# Allegro board RK3588_Template_LP4XD200P232SD8_41R0X41R0_2133MHz_H1R0_V10_20211230.brd (continued)
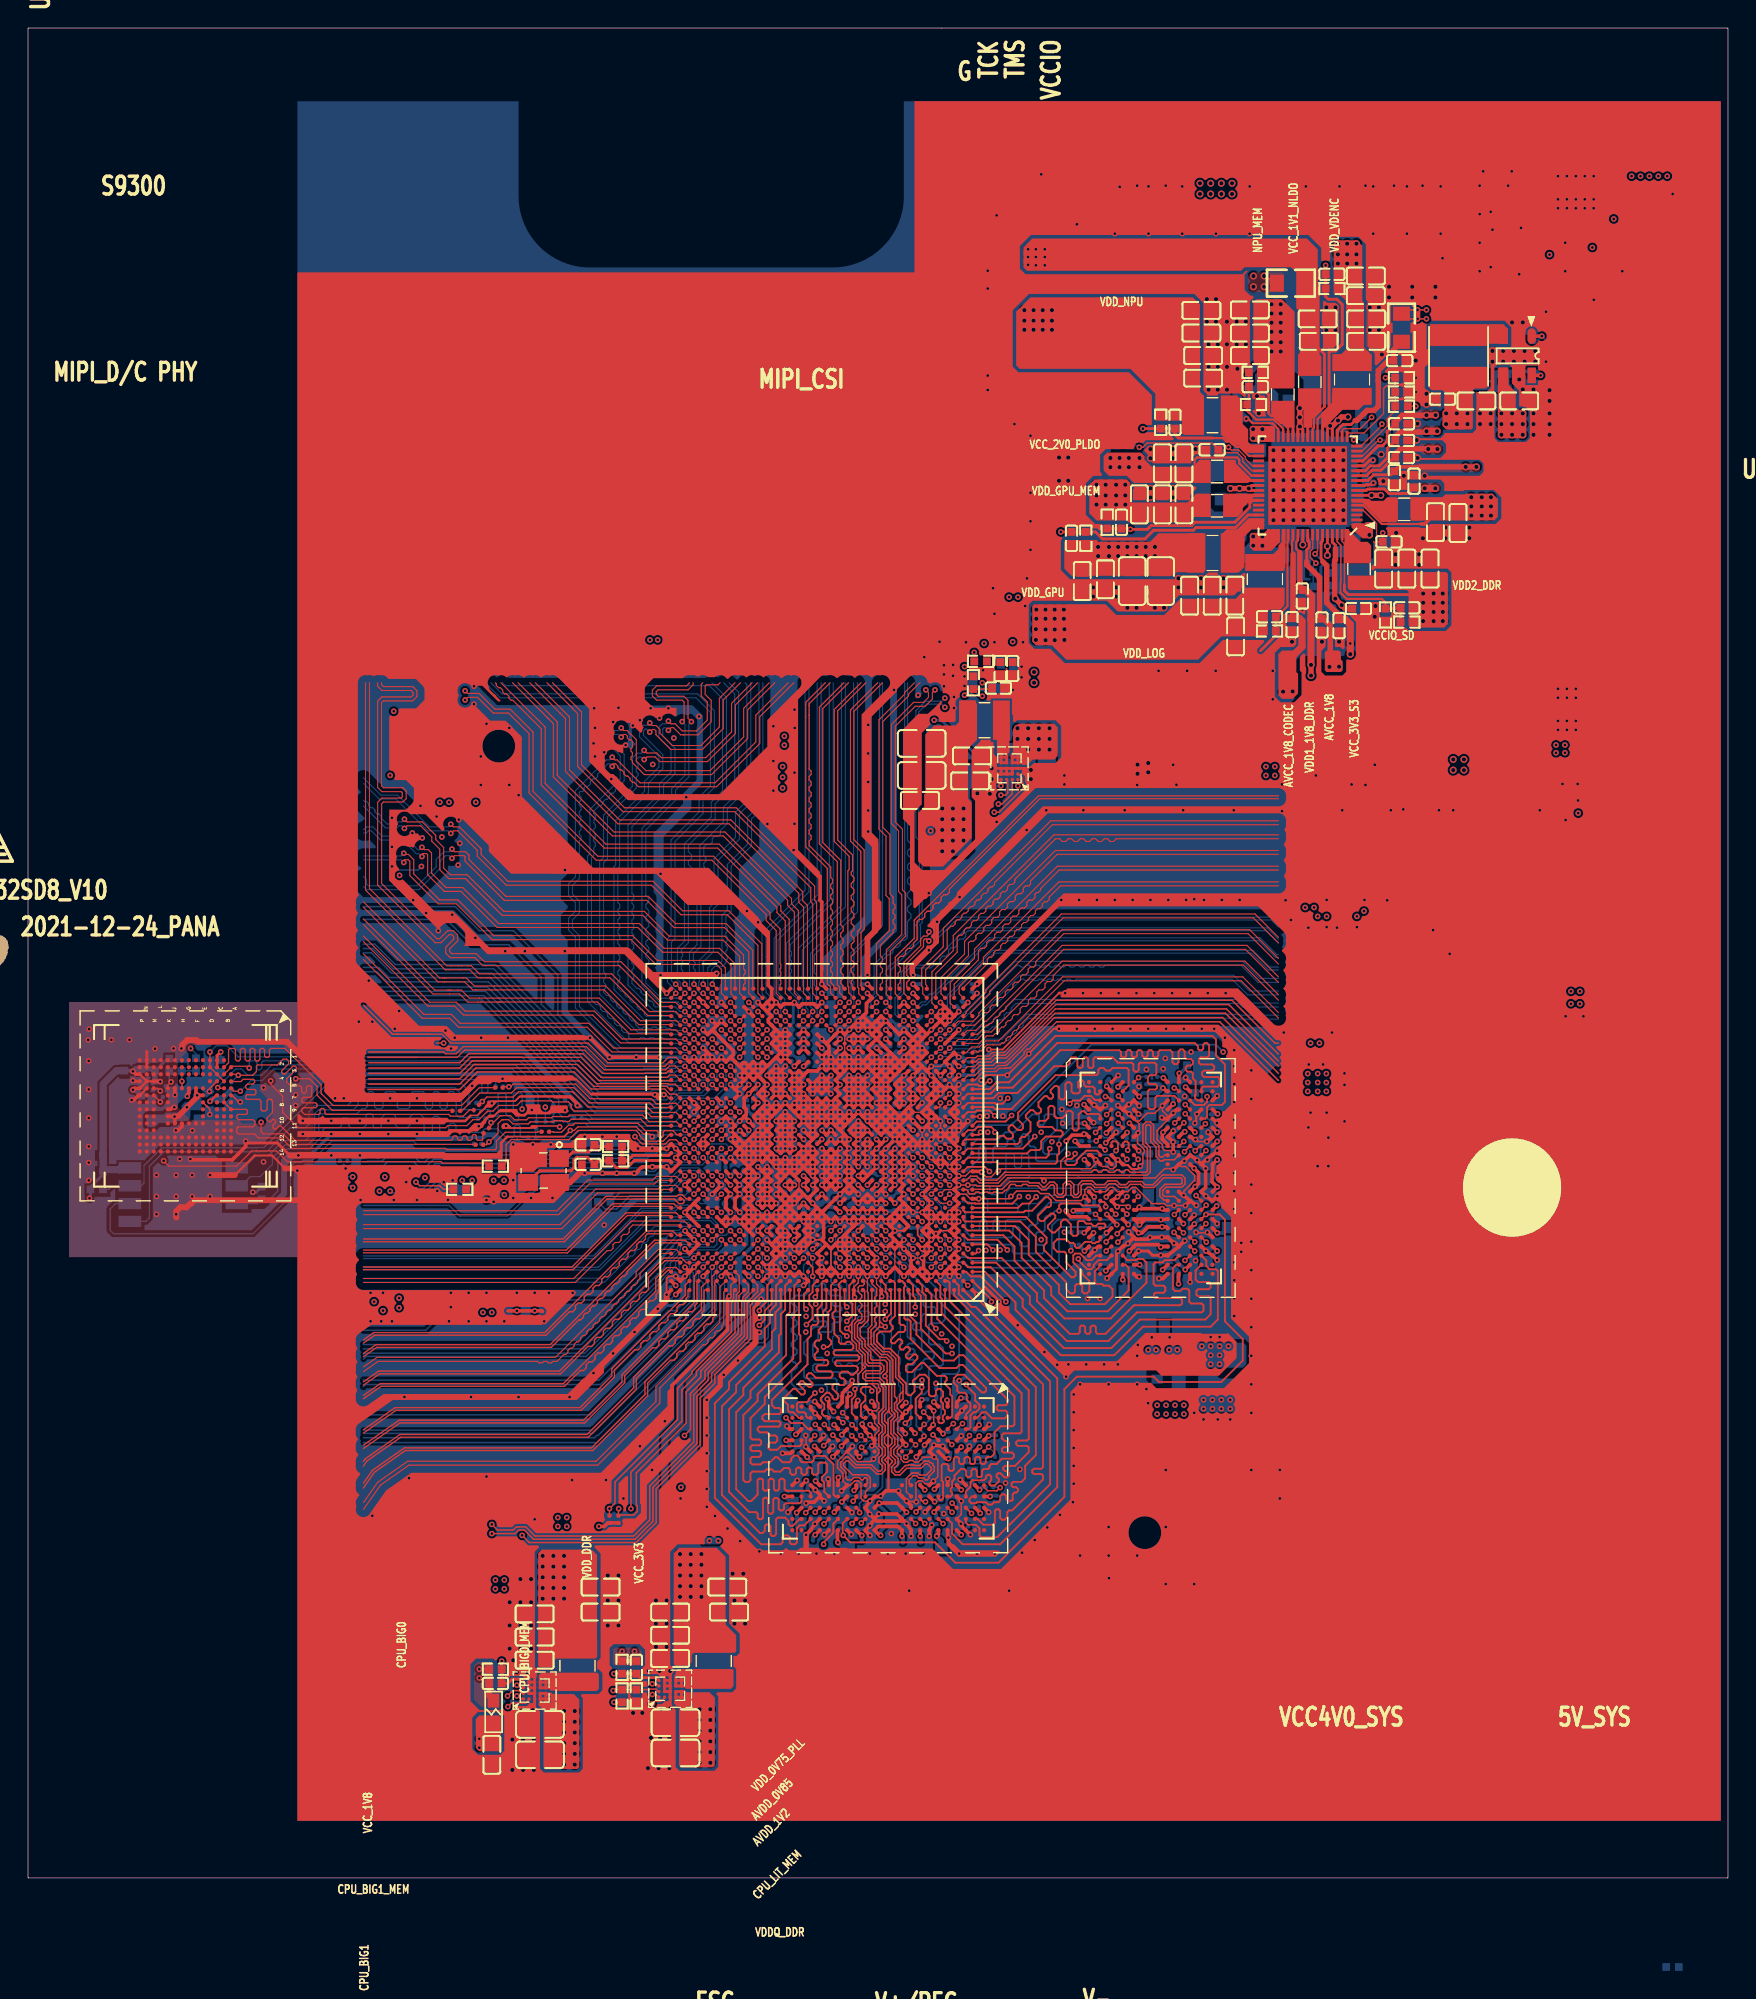
[diagram p0: board, top side]
## Nets (continued)
VDDA_0V85_S0: C1400.1 C1401.1 C1404.1 C1405.1 C1806.1 C1810.1 C1818.1 C2269.1 U1000.AH13(TYPEC1_DP1_VDD_0V85) U1000.AH14(TYPEC0_DP0_VDDA_0V85) U1000.AJ13(TYPEC1_DP1_VDDA_0V85) U1000.AJ14(TYPEC0_DP0_VDD_0V85) U1000.K28(PCIE20_SATA30_USB30_2_AVDD_0V85) U1000.L28(PCIE20_SATA30_1_AVDD_0V85) U1000.M28(PCIE20_SATA30_0_AVDD_0V85) U2200.10(NLDO4)
VDDA_1V2_S0: C1603.1 C1611.1 C2255.1 U1000.AH19(MIPI_D/C_PHY1_VDD_1V2) U1000.AH20(MIPI_D/C_PHY0_VDD_1V2) U2200.57(PLDO3)
VDDA_DDR_PLL_S0: C1215.1 C1218.1 C2264.1 U1000.L15(DDR_CH1_PLL_DVDD) U1000.N12(DDR_CH0_PLL_DVDD) U2200.12(NLDO2)
VDDQ_DDR: C3824.1 C3825.1 C3826.1 C3827.1 C3828.1 C3829.1 C3830.1 C3831.1 C3832.1 C3833.1 C3834.1 C3835.1 C3836.1 C3837.1 C3838.1 C3839.1 C3840.1 C3841.1 C3842.1 C3869.1 C3870.1 C3871.1 C3872.1 C3873.1 C3874.1 C3875.1 C3876.1 C3877.1 C3878.1 C3879.1 C3880.1 C3881.1 C3882.1 C3883.1 C3884.1 C3885.1 C3886.1 C3887.1 R3808.1 R3809.1 R3810.1 R3811.1 R3818.1 R3819.1 U3800.AA3(VDDQ_17) U3800.AA5(VDDQ_18) U3800.AA8(VDDQ_19) U3800.AA10(VDDQ_20) U3800.B3(VDDQ_1) U3800.B5(VDDQ_2) U3800.B8(VDDQ_3) U3800.B10(VDDQ_4) U3800.D1(VDDQ_5) U3800.D5(VDDQ_6) U3800.D8(VDDQ_7) U3800.D12(VDDQ_8) U3800.F3(VDDQ_9) U3800.F10(VDDQ_10) U3800.U3(VDDQ_11) U3800.U10(VDDQ_12) U3800.W1(VDDQ_13) U3800.W5(VDDQ_14) U3800.W8(VDDQ_15) U3800.W12(VDDQ_16) U3801.AA3(VDDQ_17) U3801.AA5(VDDQ_18) U3801.AA8(VDDQ_19) U3801.AA10(VDDQ_20) U3801.B3(VDDQ_1) U3801.B5(VDDQ_2) U3801.B8(VDDQ_3) U3801.B10(VDDQ_4) U3801.D1(VDDQ_5) U3801.D5(VDDQ_6) U3801.D8(VDDQ_7) U3801.D12(VDDQ_8) U3801.F3(VDDQ_9) U3801.F10(VDDQ_10) U3801.U3(VDDQ_11) U3801.U10(VDDQ_12) U3801.W1(VDDQ_13) U3801.W5(VDDQ_14) U3801.W8(VDDQ_15) U3801.W12(VDDQ_16)
VDDQ_DDR_CK_S0: C1206.1 C1213.1 C1232.1 R1204.1 U1000.L10(DDR_CH0_VDDQ_CK) U1000.M13(DDR_CH1_VDDQ_CK)
VDDQ_DDR_CKE_S3: C1216.1 C1219.1 R1205.1 U1000.H13(DDR_CH1_VDDQ_CKE) U1000.N8(DDR_CH0_VDDQ_CKE)
VDDQ_DDR_S0: C1200.1 C1201.1 C1202.1 C1203.1 C1204.1 C1205.1 C1207.1 C1208.1 C1209.1 C1210.1 C1211.1 C1212.1 C2224.1 C2225.1 C2226.1 C2233.1 L2204.1 R1200.2 R1201.2 R1202.2 R1203.2 R1204.2 R2207.1 R3808.2 U1000.K11(DDR_CH1_VDDQ_0) U1000.K12(DDR_CH1_VDDQ_1) U1000.K13(DDR_CH1_VDDQ_2) U1000.K14(DDR_CH1_VDDQ_3) U1000.K15(DDR_CH1_VDDQ_4) U1000.M10(DDR_CH0_VDDQ_0) U1000.N10(DDR_CH0_VDDQ_1) U1000.P10(DDR_CH0_VDDQ_2) U1000.R10(DDR_CH0_VDDQ_3) U1000.T10(DDR_CH0_VDDQ_4) U2200.67(VOUT9)
32KOUT_WIFI: U1000.AE30(GPIO2_C5_D)
BIG/NPU_EN: R2302.2 R2303.1 U2300.A2(EN) U2301.A2(EN) U2303.A2(EN)
BOOT_SARADC_IN0: C1510.1 R1509.1 R1511.2 U1000.AM16(SARADC_IN0_BOOT)
BT_REG_ON_H: U1000.AH27(GPIO3_A6_D)
BT_WAKE_HOST_H: U1000.P30(GPIO0_C5_U)
CC_INT_L: U1000.AC29(GPIO3_B4_U)
CPU_BIG0_VSEL: U1000.R31(GPIO0_A3_D) U2300.A1(VSEL)
CPU_BIG1_VSEL: U1000.W28(GPIO0_D6_D) U2301.A1(VSEL)
DDR_CH0_A0_A: U1000.T7(DDR_CH0_A0_A) U3800.H2(CA0_A)
DDR_CH0_A0_B: U1000.M8(DDR_CH0_A0_B) U3800.R2(CA0_B)
DDR_CH0_A1_A: U1000.T8(DDR_CH0_A1_A) U3800.J2(CA1_A)
DDR_CH0_A1_B: U1000.M5(DDR_CH0_A1_B) U3800.P2(CA1_B)
DDR_CH0_A2_A: U1000.P4(DDR_CH0_A2_A) U3800.H9(CA2_A)
DDR_CH0_A2_B: U1000.N5(DDR_CH0_A2_B) U3800.R9(CA2_B)
DDR_CH0_A3_A: U1000.P5(DDR_CH0_A3_A) U3800.H10(CA3_A)
DDR_CH0_A3_B: U1000.N4(DDR_CH0_A3_B) U3800.R10(CA3_B)
DDR_CH0_A4_A: U1000.R1(DDR_CH0_A4_A) U3800.H11(CA4_A)
DDR_CH0_A4_B: U1000.K1(DDR_CH0_A4_B) U3800.R11(CA4_B)
DDR_CH0_A5_A: U1000.P2(DDR_CH0_A5_A) U3800.J11(CA5_A)
DDR_CH0_A5_B: U1000.L2(DDR_CH0_A5_B) U3800.P11(CA5_B)
DDR_CH0_CLKN_A: U1000.N1(DDR_CH0_CKB_A) U3800.J9(CK_C_A)
DDR_CH0_CLKN_B: U1000.M1(DDR_CH0_CKB_B) U3800.P9(CK_C_B)
DDR_CH0_CLKP_A: U1000.N2(DDR_CH0_CK_A) U3800.J8(CK_T_A)
DDR_CH0_CLKP_B: U1000.M2(DDR_CH0_CK_B) U3800.P8(CK_T_B)
DDR_CH0_DM0_A: U1000.Y4(DDR_CH0_DM0_A) U3800.C3(DMI0_A)
DDR_CH0_DM0_B: U1000.G4(DDR_CH0_DM0_B) U3800.Y3(DMI0_B)
DDR_CH0_DM1_A: U1000.AB4(DDR_CH0_DM1_A) U3800.C10(DMI1_A)
DDR_CH0_DM1_B: U1000.E4(DDR_CH0_DM1_B) U3800.Y10(DMI1_B)
DDR_CH0_DQ0_A: U1000.U1(DDR_CH0_DQ0_A) U3800.B2(DQ0_A)
DDR_CH0_DQ0_B: U1000.H1(DDR_CH0_DQ0_B) U3800.AA2(DQ0_B)
DDR_CH0_DQ1_A: U1000.T2(DDR_CH0_DQ1_A) U3800.C2(DQ1_A)
DDR_CH0_DQ1_B: U1000.J2(DDR_CH0_DQ1_B) U3800.Y2(DQ1_B)
DDR_CH0_DQ2_A: U1000.T1(DDR_CH0_DQ2_A) U3800.E2(DQ2_A)
DDR_CH0_DQ2_B: U1000.J1(DDR_CH0_DQ2_B) U3800.V2(DQ2_B)
DDR_CH0_DQ3_A: U1000.R2(DDR_CH0_DQ3_A) U3800.F2(DQ3_A)
DDR_CH0_DQ3_B: U1000.K2(DDR_CH0_DQ3_B) U3800.U2(DQ3_B)
DDR_CH0_DQ4_A: U1000.W1(DDR_CH0_DQ4_A) U3800.F4(DQ4_A)
DDR_CH0_DQ4_B: U1000.F1(DDR_CH0_DQ4_B) U3800.U4(DQ4_B)
DDR_CH0_DQ5_A: U1000.V2(DDR_CH0_DQ5_A) U3800.E4(DQ5_A)
DDR_CH0_DQ5_B: U1000.G2(DDR_CH0_DQ5_B) U3800.V4(DQ5_B)
DDR_CH0_DQ6_A: U1000.V1(DDR_CH0_DQ6_A) U3800.C4(DQ6_A)
DDR_CH0_DQ6_B: U1000.G1(DDR_CH0_DQ6_B) U3800.Y4(DQ6_B)
DDR_CH0_DQ7_A: U1000.U2(DDR_CH0_DQ7_A) U3800.B4(DQ7_A)
DDR_CH0_DQ7_B: U1000.H2(DDR_CH0_DQ7_B) U3800.AA4(DQ7_B)
DDR_CH0_DQ8_A: U1000.AB2(DDR_CH0_DQ8_A) U3800.B11(DQ8_A)
DDR_CH0_DQ8_B: U1000.D2(DDR_CH0_DQ8_B) U3800.AA11(DQ8_B)
DDR_CH0_DQ9_A: U1000.AB1(DDR_CH0_DQ9_A) U3800.C11(DQ9_A)
DDR_CH0_DQ9_B: U1000.C1(DDR_CH0_DQ9_B) U3800.Y11(DQ9_B)
DDR_CH0_DQ10_A: U1000.AC1(DDR_CH0_DQ10_A) U3800.E11(DQ10_A)
DDR_CH0_DQ10_B: U1000.C2(DDR_CH0_DQ10_B) U3800.V11(DQ10_B)
DDR_CH0_DQ11_A: U1000.AC2(DDR_CH0_DQ11_A) U3800.F11(DQ11_A)
DDR_CH0_DQ11_B: U1000.B1(DDR_CH0_DQ11_B) U3800.U11(DQ11_B)
DDR_CH0_DQ12_A: U1000.Y1(DDR_CH0_DQ12_A) U3800.F9(DQ12_A)
DDR_CH0_DQ12_B: U1000.F2(DDR_CH0_DQ12_B) U3800.U9(DQ12_B)
DDR_CH0_DQ13_A: U1000.Y2(DDR_CH0_DQ13_A) U3800.E9(DQ13_A)
DDR_CH0_DQ13_B: U1000.E1(DDR_CH0_DQ13_B) U3800.V9(DQ13_B)
DDR_CH0_DQ14_A: U1000.AA1(DDR_CH0_DQ14_A) U3800.C9(DQ14_A)
DDR_CH0_DQ14_B: U1000.E2(DDR_CH0_DQ14_B) U3800.Y9(DQ14_B)
DDR_CH0_DQ15_A: U1000.AA2(DDR_CH0_DQ15_A) U3800.B9(DQ15_A)
DDR_CH0_DQ15_B: U1000.D1(DDR_CH0_DQ15_B) U3800.AA9(DQ15_B)
DDR_CH0_DQS0N_A: U1000.U4(DDR_CH0_DQS0N_A) U3800.E3(DQS0_C_A)
DDR_CH0_DQS0N_B: U1000.J7(DDR_CH0_DQS0N_B) U3800.V3(DQS0_C_B)
DDR_CH0_DQS0P_A: U1000.U5(DDR_CH0_DQS0P_A) U3800.D3(DQS0_T_A)
DDR_CH0_DQS0P_B: U1000.J8(DDR_CH0_DQS0P_B) U3800.W3(DQS0_T_B)
DDR_CH0_DQS1N_A: U1000.AA4(DDR_CH0_DQS1N_A) U3800.E10(DQS1_C_A)
DDR_CH0_DQS1N_B: U1000.F4(DDR_CH0_DQS1N_B) U3800.V10(DQS1_C_B)
DDR_CH0_DQS1P_A: U1000.AA5(DDR_CH0_DQS1P_A) U3800.D10(DQS1_T_A)
DDR_CH0_DQS1P_B: U1000.F5(DDR_CH0_DQS1P_B) U3800.W10(DQS1_T_B)
DDR_CH0_LP4/4X_CKE0/LP5_CS0_A: R3801.1 U1000.P7(DDR_CH0_LP4/4X_CKE0/LP5_CS0_A)
DDR_CH0_LP4/4X_CKE0/LP5_CS0_B: R3804.1 U1000.L5(DDR_CH0_LP4/4X_CKE0/LP5_CS0_B)
DDR_CH0_LP4/4X_CKE0_A: R3801.2 U3800.J4(CKE0_A)
DDR_CH0_LP4/4X_CKE0_B: R3804.2 U3800.P4(CKE0_B)
DDR_CH0_LP4/4X_CKE1/LP5_CS1_A: R3802.1 U1000.N7(DDR_CH0_LP4/4X_CKE1/LP5_CS1_A)
DDR_CH0_LP4/4X_CKE1/LP5_CS1_B: R3805.1 U1000.L4(DDR_CH0_LP4/4X_CKE1/LP5_CS1_B)
DDR_CH0_LP4/4X_CKE1_A: R3802.2 U3800.J5(CKE1_A)
DDR_CH0_LP4/4X_CKE1_B: R3805.2 U3800.P5(CKE1_B)
DDR_CH0_LP4/4X_CS0_A: U1000.R6(DDR_CH0_LP4/4X_CS0_A) U3800.H4(CS0_A)
DDR_CH0_LP4/4X_CS0_B: U1000.L7(DDR_CH0_LP4/4X_CS0_B) U3800.R4(CS0_B)
DDR_CH0_LP4/4X_CS1_A: U1000.R7(DDR_CH0_LP4/4X_CS1_A) U3800.H3(CS1_A)
DDR_CH0_LP4/4X_CS1_B: U1000.L8(DDR_CH0_LP4/4X_CS1_B) U3800.R3(CS1_B)
DDR_CH1_A0_C: U1000.G12(DDR_CH1_A0_C) U3801.H2(CA0_A)
DDR_CH1_A0_D: U1000.H15(DDR_CH1_A0_D) U3801.R2(CA0_B)
DDR_CH1_A1_C: U1000.F12(DDR_CH1_A1_C) U3801.J2(CA1_A)
DDR_CH1_A1_D: U1000.G14(DDR_CH1_A1_D) U3801.P2(CA1_B)
DDR_CH1_A2_C: U1000.E13(DDR_CH1_A2_C) U3801.H9(CA2_A)
DDR_CH1_A2_D: U1000.G13(DDR_CH1_A2_D) U3801.R9(CA2_B)
DDR_CH1_A3_C: U1000.D13(DDR_CH1_A3_C) U3801.H10(CA3_A)
DDR_CH1_A3_D: U1000.E14(DDR_CH1_A3_D) U3801.R10(CA3_B)
DDR_CH1_A4_C: U1000.A10(DDR_CH1_A4_C) U3801.H11(CA4_A)
DDR_CH1_A4_D: U1000.A15(DDR_CH1_A4_D) U3801.R11(CA4_B)
DDR_CH1_A5_C: U1000.B11(DDR_CH1_A5_C) U3801.J11(CA5_A)
DDR_CH1_A5_D: U1000.B14(DDR_CH1_A5_D) U3801.P11(CA5_B)
DDR_CH1_CLKN_C: U1000.A12(DDR_CH1_CKB_C) U3801.J9(CK_C_A)
DDR_CH1_CLKN_D: U1000.A13(DDR_CH1_CKB_D) U3801.P9(CK_C_B)
DDR_CH1_CLKP_C: U1000.B12(DDR_CH1_CK_C) U3801.J8(CK_T_A)
DDR_CH1_CLKP_D: U1000.B13(DDR_CH1_CK_D) U3801.P8(CK_T_B)
DDR_CH1_DM0_C: U1000.F8(DDR_CH1_DM0_C) U3801.C3(DMI0_A)
DDR_CH1_DM0_D: U1000.D20(DDR_CH1_DM0_D) U3801.Y3(DMI0_B)
DDR_CH1_DM1_C: U1000.D4(DDR_CH1_DM1_C) U3801.C10(DMI1_A)
DDR_CH1_DM1_D: U1000.D22(DDR_CH1_DM1_D) U3801.Y10(DMI1_B)
DDR_CH1_DQ0_C: U1000.A8(DDR_CH1_DQ0_C) U3801.B2(DQ0_A)
DDR_CH1_DQ0_D: U1000.A17(DDR_CH1_DQ0_D) U3801.AA2(DQ0_B)
DDR_CH1_DQ1_C: U1000.B9(DDR_CH1_DQ1_C) U3801.C2(DQ1_A)
DDR_CH1_DQ1_D: U1000.B16(DDR_CH1_DQ1_D) U3801.Y2(DQ1_B)
DDR_CH1_DQ2_C: U1000.A9(DDR_CH1_DQ2_C) U3801.E2(DQ2_A)
DDR_CH1_DQ2_D: U1000.A16(DDR_CH1_DQ2_D) U3801.V2(DQ2_B)
DDR_CH1_DQ3_C: U1000.B10(DDR_CH1_DQ3_C) U3801.F2(DQ3_A)
DDR_CH1_DQ3_D: U1000.B15(DDR_CH1_DQ3_D) U3801.U2(DQ3_B)
DDR_CH1_DQ4_C: U1000.A6(DDR_CH1_DQ4_C) U3801.F4(DQ4_A)
DDR_CH1_DQ4_D: U1000.A19(DDR_CH1_DQ4_D) U3801.U4(DQ4_B)
DDR_CH1_DQ5_C: U1000.B7(DDR_CH1_DQ5_C) U3801.E4(DQ5_A)
DDR_CH1_DQ5_D: U1000.B18(DDR_CH1_DQ5_D) U3801.V4(DQ5_B)
DDR_CH1_DQ6_C: U1000.A7(DDR_CH1_DQ6_C) U3801.C4(DQ6_A)
DDR_CH1_DQ6_D: U1000.A18(DDR_CH1_DQ6_D) U3801.Y4(DQ6_B)
DDR_CH1_DQ7_C: U1000.B8(DDR_CH1_DQ7_C) U3801.B4(DQ7_A)
DDR_CH1_DQ7_D: U1000.B17(DDR_CH1_DQ7_D) U3801.AA4(DQ7_B)
DDR_CH1_DQ8_C: U1000.A3(DDR_CH1_DQ8_C) U3801.B11(DQ8_A)
DDR_CH1_DQ8_D: U1000.A22(DDR_CH1_DQ8_D) U3801.AA11(DQ8_B)
DDR_CH1_DQ9_C: U1000.B3(DDR_CH1_DQ9_C) U3801.C11(DQ9_A)
DDR_CH1_DQ9_D: U1000.B22(DDR_CH1_DQ9_D) U3801.Y11(DQ9_B)
DDR_CH1_DQ10_C: U1000.A2(DDR_CH1_DQ10_C) U3801.E11(DQ10_A)
DDR_CH1_DQ10_D: U1000.A23(DDR_CH1_DQ10_D) U3801.V11(DQ10_B)
DDR_CH1_DQ11_C: U1000.B2(DDR_CH1_DQ11_C) U3801.F11(DQ11_A)
DDR_CH1_DQ11_D: U1000.B23(DDR_CH1_DQ11_D) U3801.U11(DQ11_B)
DDR_CH1_DQ12_C: U1000.A5(DDR_CH1_DQ12_C) U3801.F9(DQ12_A)
DDR_CH1_DQ12_D: U1000.A20(DDR_CH1_DQ12_D) U3801.U9(DQ12_B)
DDR_CH1_DQ13_C: U1000.B5(DDR_CH1_DQ13_C) U3801.E9(DQ13_A)
DDR_CH1_DQ13_D: U1000.B20(DDR_CH1_DQ13_D) U3801.V9(DQ13_B)
DDR_CH1_DQ14_C: U1000.A4(DDR_CH1_DQ14_C) U3801.C9(DQ14_A)
DDR_CH1_DQ14_D: U1000.A21(DDR_CH1_DQ14_D) U3801.Y9(DQ14_B)
DDR_CH1_DQ15_C: U1000.B4(DDR_CH1_DQ15_C) U3801.B9(DQ15_A)
DDR_CH1_DQ15_D: U1000.B21(DDR_CH1_DQ15_D) U3801.AA9(DQ15_B)
DDR_CH1_DQS0N_C: U1000.D9(DDR_CH1_DQS0N_C) U3801.E3(DQS0_C_A)
DDR_CH1_DQS0N_D: U1000.G16(DDR_CH1_DQS0N_D) U3801.V3(DQS0_C_B)
DDR_CH1_DQS0P_C: U1000.E9(DDR_CH1_DQS0P_C) U3801.D3(DQS0_T_A)
DDR_CH1_DQS0P_D: U1000.H16(DDR_CH1_DQS0P_D) U3801.W3(DQS0_T_B)
DDR_CH1_DQS1N_C: U1000.D5(DDR_CH1_DQS1N_C) U3801.E10(DQS1_C_A)
DDR_CH1_DQS1N_D: U1000.E21(DDR_CH1_DQS1N_D) U3801.V10(DQS1_C_B)
DDR_CH1_DQS1P_C: U1000.E5(DDR_CH1_DQS1P_C) U3801.D10(DQS1_T_A)
DDR_CH1_DQS1P_D: U1000.D21(DDR_CH1_DQS1P_D) U3801.W10(DQS1_T_B)
DDR_CH1_LP4/4X_CKE0/LP5_CS0_C: R3812.1 U1000.D11(DDR_CH1_LP4/4X_CKE0/LP5_CS0_C)
DDR_CH1_LP4/4X_CKE0/LP5_CS0_D: R3814.1 U1000.D16(DDR_CH1_LP4/4X_CKE0/LP5_CS0_D)
DDR_CH1_LP4/4X_CKE0_C: R3812.2 U3801.J4(CKE0_A)
DDR_CH1_LP4/4X_CKE0_D: R3814.2 U3801.P4(CKE0_B)
DDR_CH1_LP4/4X_CKE1/LP5_CS1_C: R3813.1 U1000.E11(DDR_CH1_LP4/4X_CKE1/LP5_CS1_C)
DDR_CH1_LP4/4X_CKE1/LP5_CS1_D: R3815.1 U1000.E16(DDR_CH1_LP4/4X_CKE1/LP5_CS1_D)
DDR_CH1_LP4/4X_CKE1_C: R3813.2 U3801.J5(CKE1_A)
DDR_CH1_LP4/4X_CKE1_D: R3815.2 U3801.P5(CKE1_B)
DDR_CH1_LP4/4X_CS0_C: U1000.G11(DDR_CH1_LP4/4X_CS0_C) U3801.H4(CS0_A)
DDR_CH1_LP4/4X_CS0_D: U1000.E19(DDR_CH1_LP4/4X_CS0_D) U3801.R4(CS0_B)
DDR_CH1_LP4/4X_CS1_C: U1000.H11(DDR_CH1_LP4/4X_CS1_C) U3801.H3(CS1_A)
DDR_CH1_LP4/4X_CS1_D: U1000.D19(DDR_CH1_LP4/4X_CS1_D) U3801.R3(CS1_B)
DDR_RESET: C3844.1 C9314.1 U1000.T4(DDR_CH0_RESET_A) U3800.T11(RESET_N) U3801.T11(RESET_N)
DP1_AUXN: U1000.AM10(TYPEC1_SBU2/DP1_AUXN)
DP1_AUXP: U1000.AL10(TYPEC1_SBU1/DP1_AUXP)
DP1_TX2N: U1000.AP10(TYPEC1_SSRX2N/DP1_TX2N)
DP1_TX2P: U1000.AN10(TYPEC1_SSRX2P/DP1_TX2P)
DP1_TX3N: U1000.AN11(TYPEC1_SSTX2N/DP1_TX3N)
DP1_TX3P: U1000.AP11(TYPEC1_SSTX2P/DP1_TX3P)
EMMC_CLKOUT: C4005.1 R1317.2 U4000.M6(CLK)
EMMC_CMD: R1310.2 R4000.2 U4000.M5(CMD)
EMMC_CMD/FSPI_CLK: R1304.1 R1310.1 U1000.W34(GPIO2_A0_U)
EMMC_D0: R1306.2 R4001.2 U4000.A3(DATA0)
EMMC_D0/FSPI_D0: R1300.1 R1306.1 U1000.Y33(GPIO2_D0_U)
EMMC_D1: R1307.2 U4000.A4(DATA1)
EMMC_D1/FSPI_D1: R1301.1 R1307.1 U1000.W33(GPIO2_D1_U)
EMMC_D2: R1308.2 U4000.A5(DATA2)
EMMC_D2/FSPI_D2: R1302.1 R1308.1 U1000.V32(GPIO2_D2_U)
EMMC_D3: R1309.2 U4000.B2(DATA3)
EMMC_D3/FSPI_D3: R1303.1 R1309.1 U1000.AA33(GPIO2_D3_U)
EMMC_D4: R1314.2 U4000.B3(DATA4)
EMMC_D5: R1315.2 U4000.B4(DATA5)
EMMC_D6: R1311.2 U4000.B5(DATA6)
EMMC_D6/FSPI_CS0: R1305.1 R1311.1 U1000.W32(GPIO2_D6_U)
EMMC_D7: R1316.2 U4000.B6(DATA7)
EMMC_DATA_STROBE: R4003.1 U1000.Y34(GPIO2_A2_D)
EMMC_RSTN: R1318.2 R4002.2 U4000.K5(RST_N)
ETH0_REFCLKO_25M: U1000.AD30(GPIO2_C3_D)
FSPI_CLK: R1304.2 U4300.6(CLK)
FSPI_CS0: R1305.2 U4300.1(C\S\)
FSPI_D0: R1300.2 U4300.5(DI(D0))
FSPI_D1: R1301.2 U4300.2(DO(D1))
FSPI_D2: R1302.2 R4300.2 U4300.3(W\P\(D2))
FSPI_D3: R1303.2 R4301.2 U4300.7(H\O\L\D\(D3))
GMAC0_MCLKINOUT: U1000.AF34(GPIO4_C3_D)
GMAC0_MDC: U1000.AB34(GPIO4_C4_D)
GMAC0_MDIO: U1000.AB33(GPIO4_C5_D)
GMAC0_RSTN_L: U1000.AM25(GPIO4_B3_U)
GMAC0_RXCLK: U1000.AE32(GPIO2_B0_U)
GMAC0_RXD0: U1000.AD32(GPIO2_C1_D)
GMAC0_RXD1: U1000.AD31(GPIO2_C2_D)
GMAC0_RXD2: U1000.AC32(GPIO2_A6_U)
GMAC0_RXD3: U1000.AC31(GPIO2_A7_U)
GMAC0_RXDV_CRS: U1000.AE31(GPIO4_C2_D)
GPIO3_A0_U: U1000.AA29(GPIO3_A0_U)
GPIO3_A7_U: U1000.AG29(GPIO3_A7_U)
GPIO3_C0_D: U1000.Y29(GPIO3_C0_D)
HDMI0_TX0N_PORT/EDP0_TX_D0N: U1000.AJ1(HDMI_TX0_D0N/EDP_TX0_D0N)
HDMI0_TX0P_PORT/EDP0_TX_D0P: U1000.AJ2(HDMI_TX0_D0P/EDP_TX0_D0P)
HDMI0_TX1N_PORT/EDP0_TX_D1N: U1000.AK2(HDMI_TX0_D1N/EDP_TX0_D1N)
HDMI0_TX1P_PORT/EDP0_TX_D1P: U1000.AK3(HDMI_TX0_D1P/EDP_TX0_D1P)
HDMI0_TX2N_PORT/EDP0_TX_D2N: U1000.AL1(HDMI_TX0_D2N/EDP_TX0_D2N)
HDMI0_TX2P_PORT/EDP0_TX_D2P: U1000.AL2(HDMI_TX0_D2P/EDP_TX0_D2P)
HDMI0_TX3N_PORT/EDP0_TX_D3N: U1000.AH2(HDMI_TX0_D3N/EDP_TX0_D3N)
HDMI0_TX3P_PORT/EDP0_TX_D3P: U1000.AH3(HDMI_TX0_D3P/EDP_TX0_D3P)
HDMI0_TX_ON_H: U1000.AL24(GPIO4_B1_U)
HDMI0_TX_SBDN/EDP0_TX_AUXN: U1000.AG1(HDMI_TX0_SBDN/EDP_TX0_AUXN)
HDMI0_TX_SBDP/EDP0_TX_AUXP: U1000.AG2(HDMI_TX0_SBDP/EDP_TX0_AUXP)
HDMI1_TX0N_PORT/EDP1_TX_D0N: U1000.AP4(HDMI_TX1_D0N/EDP_TX1_D0N)
HDMI1_TX0P_PORT/EDP1_TX_D0P: U1000.AN4(HDMI_TX1_D0P/EDP_TX1_D0P)
HDMI1_TX1N_PORT/EDP1_TX_D1N: U1000.AN5(HDMI_TX1_D1N/EDP_TX1_D1N)
HDMI1_TX1P_PORT/EDP1_TX_D1P: U1000.AM5(HDMI_TX1_D1P/EDP_TX1_D1P)
HDMI1_TX2N_PORT/EDP1_TX_D2N: U1000.AP6(HDMI_TX1_D2N/EDP_TX1_D2N)
HDMI1_TX2P_PORT/EDP1_TX_D2P: U1000.AN6(HDMI_TX1_D2P/EDP_TX1_D2P)
HDMI1_TX3N_PORT/EDP1_TX_D3N: U1000.AN3(HDMI_TX1_D3N/EDP_TX1_D3N)
HDMI1_TX3P_PORT/EDP1_TX_D3P: U1000.AM3(HDMI_TX1_D3P/EDP_TX1_D3P)
HDMI1_TX_ON_H: U1000.AK25(GPIO4_B2_U)
HDMI1_TX_SBDN/EDP1_TX_AUXN: U1000.AP2(HDMI_TX1_SBDN/EDP_TX1_AUXN)
HDMI1_TX_SBDP/EDP1_TX_AUXP: U1000.AN2(HDMI_TX1_SBDP/EDP_TX1_AUXP)
HDMI_RX_CEC: U1000.AG23(GPIO3_D1_D)
HDMI_RX_CLKN: U1000.AF5(HDMI_RX_CLKN)
HDMI_RX_CLKP: U1000.AF6(HDMI_RX_CLKP)
HDMI_RX_D0N: U1000.AG4(HDMI_RX_D0N)
HDMI_RX_D0P: U1000.AG5(HDMI_RX_D0P)
HDMI_RX_D1N: U1000.AH5(HDMI_RX_D1N)
HDMI_RX_D1P: U1000.AH6(HDMI_RX_D1P)
HDMI_RX_D2N: U1000.AJ4(HDMI_RX_D2N)
HDMI_RX_D2P: U1000.AJ5(HDMI_RX_D2P)
HDMI_RX_SCL_M1: U1000.AG25(GPIO3_D2_D)
HDMI_RX_SDA_M1: U1000.AG24(GPIO3_D3_D)
HDMI_TX0_REXT: R1708.1 U1000.AM2(HDMI/EDP_TX0_REXT)
HDMI_TX1_REXT: R1719.1 U1000.AN1(HDMI/EDP_TX1_REXT)
HDMIIRX_DET_L: U1000.AB30(GPIO2_B5_U)
HDMIIRX_HPDOUT_H: U1000.AA27(GPIO3_D4_D)
HDMITX0_CEC_M0: U1000.AK24(GPIO4_C1_D)
HDMITX0_HPDIN_M1: U1000.B26(GPIO1_A5_D)
HDMITX0_SCL_M0: U1000.AJ28(GPIO4_B7_U)
HDMITX0_SDA_M0: U1000.AJ25(GPIO4_C0_U)
HDMITX1_CEC_M2: U1000.AH26(GPIO3_C4_U)
HDMITX1_HPDIN_M1: U1000.C24(GPIO1_A6_D)
HDMITX1_SCL_M1: U1000.AG26(GPIO3_C6_U)
HDMITX1_SDA_M1: U1000.AH25(GPIO3_C5_U)
HOST0_REXT: R1400.1 U1000.AG9(USB20_HOST0_REXT)
HOST1_REXT: R1401.1 U1000.AH9(USB20_HOST1_REXT)
HOST_WAKE_BT_H: U1000.AA30(GPIO3_A1_U)
HP_DET_L: U1000.G26(GPIO1_D5_D)
I2C0_SCL_M2: U1000.W29(GPIO0_D2_U) U2300.A3(SCL) U2301.A3(SCL)
I2C0_SDA_M2: U1000.W30(GPIO0_D1_U) U2300.B1(SDA) U2301.B1(SDA)
I2C1_SCL_M2: U2303.A3(SCL)
I2C1_SCL_M2_TP: R1111.2 U1000.V29(GPIO0_D4_U)
I2C1_SDA_M2: U2303.B1(SDA)
I2C1_SDA_M2_TP: R1112.2 U1000.V28(GPIO0_D5_U)
I2C2_SCL_M0: R1114.2 U1000.T28(GPIO0_B7_D)
I2C2_SDA_M0: R1113.2 U1000.T31(GPIO0_C0_D)
I2C3_SCL_M0_MIPI: U1000.G27(GPIO1_C1_Z)
I2C3_SDA_M0_MIPI: U1000.G29(GPIO1_C0_Z)
I2C4_SCL_M3_MIPI: R1903.2 U1000.A27(GPIO1_A3_D)
I2C4_SDA_M3_MIPI: R1904.2 U1000.A26(GPIO1_A2_D)
I2C5_SCL_M0_MIPI: U1000.AJ24(GPIO3_C7_U)
I2C5_SDA_M0_MIPI: U1000.AH24(GPIO3_D0_U)
I2C6_SCL_M0: U1000.W31(GPIO0_D0_D)
I2C6_SDA_M0: R1130.2 U1000.V31(GPIO0_C7_D)
I2C7_SCL_M0_CODEC: U1000.F26(GPIO1_D0_D)
I2C7_SDA_M0_CODEC: U1000.F27(GPIO1_D1_D)
I2S0_LRCK_TX: U1000.D30(GPIO1_C5_D)
I2S0_MCLK: U1000.F30(GPIO1_C2_D)
I2S0_SCLK_TX: U1000.E31(GPIO1_C3_D)
I2S0_SDI0: U1000.D28(GPIO1_D4_D)
I2S0_SDO0: U1000.E29(GPIO1_C7_D)
I2S2_LRCK_TX_M1_BT: U1000.AE29(GPIO3_B6_D)
I2S2_SCLK_TX_M1_BT: U1000.AD29(GPIO3_B5_U)
I2S2_SDI_M1_BT: U1000.AE28(GPIO3_B2_D)
I2S2_SDO_M1_BT: U1000.AC28(GPIO3_B3_U)
LCD_BL_PWM2: U1000.R30(GPIO0_C4_D)
LCD_PWREN_H: U1000.E30(GPIO1_C4_D)
LCD_RESET_L: U1000.AB31(GPIO2_B4_U)
MAC0_TXCLK: U1000.AE33(GPIO2_B3_D)
MAC0_TXD0: U1000.AD33(GPIO2_B6_D)
MAC0_TXD1: U1000.AD34(GPIO2_B7_D)
MAC0_TXD2: U1000.AC33(GPIO2_B1_U)
MAC0_TXD3: U1000.AC34(GPIO2_B2_U)
MAC0_TXEN: U1000.AE34(GPIO2_C0_D)
MIPI_CAM1_CLKOUT: U1000.E26(GPIO1_B6_U)
MIPI_CAM2_CLKOUT: U1000.E27(GPIO1_B7_U)
MIPI_CAM3_CLKOUT: U1000.F24(GPIO1_D6_U)
MIPI_CAM4_CLKOUT: U1000.F25(GPIO1_D7_U)
MIPI_CSI0_PDN0_H: U1000.D27(GPIO1_B3_D)
MIPI_CSI0_PDN1_H: U1000.C25(GPIO1_A7_U)
MIPI_CSI0_RX_CLK0N: U1000.AJ34(MIPI_CSI0_CLK0N)
MIPI_CSI0_RX_CLK0P: U1000.AJ33(MIPI_CSI0_CLK0P)
MIPI_CSI0_RX_CLK1N: U1000.AM34(MIPI_CSI0_CLK1N)
MIPI_CSI0_RX_CLK1P: U1000.AM33(MIPI_CSI0_CLK1P)
MIPI_CSI0_RX_D0N: U1000.AG34(MIPI_CSI0_D0N)
MIPI_CSI0_RX_D0P: U1000.AG33(MIPI_CSI0_D0P)
MIPI_CSI0_RX_D1N: U1000.AH34(MIPI_CSI0_D1N)
MIPI_CSI0_RX_D1P: U1000.AH33(MIPI_CSI0_D1P)
MIPI_CSI0_RX_D2N: U1000.AK34(MIPI_CSI0_D2N)
MIPI_CSI0_RX_D2P: U1000.AK33(MIPI_CSI0_D2P)
MIPI_CSI0_RX_D3N: U1000.AL34(MIPI_CSI0_D3N)
MIPI_CSI0_RX_D3P: U1000.AL33(MIPI_CSI0_D3P)
MIPI_CSI1_PDN0_H: U1000.E24(GPIO1_B4_U)
MIPI_CSI1_PDN1_H: U1000.C27(GPIO1_B0_U)
MIPI_CSI1_RX_CLK0N: U1000.AJ32(MIPI_CSI1_CLK0N)
MIPI_CSI1_RX_CLK0P: U1000.AJ31(MIPI_CSI1_CLK0P)
MIPI_CSI1_RX_CLK1N: U1000.AM32(MIPI_CSI1_CLK1N)
MIPI_CSI1_RX_CLK1P: U1000.AM31(MIPI_CSI1_CLK1P)
MIPI_CSI1_RX_D0N: U1000.AG32(MIPI_CSI1_D0N)
MIPI_CSI1_RX_D0P: U1000.AG31(MIPI_CSI1_D0P)
MIPI_CSI1_RX_D1N: U1000.AH32(MIPI_CSI1_D1N)
MIPI_CSI1_RX_D1P: U1000.AH31(MIPI_CSI1_D1P)
MIPI_CSI1_RX_D2N: U1000.AK32(MIPI_CSI1_D2N)
MIPI_CSI1_RX_D2P: U1000.AK31(MIPI_CSI1_D2P)
MIPI_CSI1_RX_D3N: U1000.AL32(MIPI_CSI1_D3N)
MIPI_CSI1_RX_D3P: U1000.AL31(MIPI_CSI1_D3P)
MIPI_DCPHY0_PWREN0_H: U1000.AC30(GPIO2_C4_D)
MIPI_DCPHY0_PWREN1_H: U1000.AF33(GPIO4_C6_D)
MIPI_DCPHY0_RX_PDN_H: U1000.A24(GPIO1_A0_D)
MIPI_DCPHY1_RX_PDN_H: U1000.A25(GPIO1_A1_D)
MIPI_DPHY0_RX_CLKN: U1000.AP31(MIPI_DPHY0_RX_CLKN/MIPI_CPHY0_RX_TRIO1_B)
MIPI_DPHY0_RX_CLKP: U1000.AN32(MIPI_DPHY0_RX_CLKP/MIPI_CPHY0_RX_TRIO1_C)
MIPI_DPHY0_RX_D0N: U1000.AP29(MIPI_DPHY0_RX_D0N/MIPI_CPHY0_RX_TRIO0_A)
MIPI_DPHY0_RX_D0P: U1000.AN29(MIPI_DPHY0_RX_D0P/MIPI_CPHY0_RX_TRIO0_B)
MIPI_DPHY0_RX_D1N: U1000.AP30(MIPI_DPHY0_RX_D1N/MIPI_CPHY0_RX_TRIO0_C)
MIPI_DPHY0_RX_D1P: U1000.AN30(MIPI_DPHY0_RX_D1P/MIPI_CPHY0_RX_TRIO1_A)
MIPI_DPHY0_RX_D2N: U1000.AP32(MIPI_DPHY0_RX_D2N/MIPI_CPHY0_RX_TRIO2_A)
MIPI_DPHY0_RX_D2P: U1000.AN33(MIPI_DPHY0_RX_D2P/MIPI_CPHY0_RX_TRIO2_B)
MIPI_DPHY0_RX_D3N: U1000.AP33(MIPI_DPHY0_RX_D3N/MIPI_CPHY0_RX_TRIO2_C)
MIPI_DPHY0_RX_D3P: U1000.AN34(MIPI_DPHY0_RX_D3P/NO_USE)
MIPI_DPHY0_TX_CLKN: U1000.AP26(MIPI_DPHY0_TX_CLKN/MIPI_CPHY0_TX_TRIO1_B)
MIPI_DPHY0_TX_CLKP: U1000.AN26(MIPI_DPHY0_TX_CLKP/MIPI_CPHY0_TX_TRIO1_C)
MIPI_DPHY0_TX_D0N: U1000.AP24(MIPI_DPHY0_TX_D0N/MIPI_CPHY0_TX_TRIO0_A)
MIPI_DPHY0_TX_D0P: U1000.AN24(MIPI_DPHY0_TX_D0P/MIPI_CPHY0_TX_TRIO0_B)
MIPI_DPHY0_TX_D1N: U1000.AP25(MIPI_DPHY0_TX_D1N/MIPI_CPHY0_TX_TRIO0_C)
MIPI_DPHY0_TX_D1P: U1000.AN25(MIPI_DPHY0_TX_D1P/MIPI_CPHY0_TX_TRIO1_A)
MIPI_DPHY0_TX_D2N: U1000.AP27(MIPI_DPHY0_TX_D2N/MIPI_CPHY0_TX_TRIO2_A)
MIPI_DPHY0_TX_D2P: U1000.AN27(MIPI_DPHY0_TX_D2P/MIPI_CPHY0_TX_TRIO2_B)
MIPI_DPHY0_TX_D3N: U1000.AP28(MIPI_DPHY0_TX_D3N/MIPI_CPHY0_TX_TRIO2_C)
MIPI_DPHY0_TX_D3P: U1000.AN28(MIPI_DPHY0_TX_D3P/NO_USE)
MIPI_DPHY1_RX_CLKN: U1000.AL20(MIPI_DPHY1_RX_CLKN/MIPI_CPHY1_RX_TRIO1_B)
MIPI_DPHY1_RX_CLKP: U1000.AK20(MIPI_DPHY1_RX_CLKP/MIPI_CPHY1_RX_TRIO1_C)
MIPI_DPHY1_RX_D0N: U1000.AL18(MIPI_DPHY1_RX_D0N/MIPI_CPHY1_RX_TRIO0_A)
MIPI_DPHY1_RX_D0P: U1000.AK18(MIPI_DPHY1_RX_D0P/MIPI_CPHY1_RX_TRIO0_B)
MIPI_DPHY1_RX_D1N: U1000.AL19(MIPI_DPHY1_RX_D1N/MIPI_CPHY1_RX_TRIO0_C)
MIPI_DPHY1_RX_D1P: U1000.AK19(MIPI_DPHY1_RX_D1P/MIPI_CPHY1_RX_TRIO1_A)
MIPI_DPHY1_RX_D2N: U1000.AL21(MIPI_DPHY1_RX_D2N/MIPI_CPHY1_RX_TRIO2_A)
MIPI_DPHY1_RX_D2P: U1000.AK21(MIPI_DPHY1_RX_D2P/MIPI_CPHY1_RX_TRIO2_B)
MIPI_DPHY1_RX_D3N: U1000.AL22(MIPI_DPHY1_RX_D3N/MIPI_CPHY1_RX_TRIO2_C)
MIPI_DPHY1_RX_D3P: U1000.AK22(MIPI_DPHY1_RX_D3P/NO_USE)
MIPI_DPHY1_TX_CLKN: U1000.AP20(MIPI_DPHY1_TX_CLKN/MIPI_CPHY1_TX_TRIO1_B)
MIPI_DPHY1_TX_CLKP: U1000.AN20(MIPI_DPHY1_TX_CLKP/MIPI_CPHY1_TX_TRIO1_C)
MIPI_DPHY1_TX_D0N: U1000.AP18(MIPI_DPHY1_TX_D0N/MIPI_CPHY1_TX_TRIO0_A)
MIPI_DPHY1_TX_D0P: U1000.AN18(MIPI_DPHY1_TX_D0P/MIPI_CPHY1_TX_TRIO0_B)
MIPI_DPHY1_TX_D1N: U1000.AP19(MIPI_DPHY1_TX_D1N/MIPI_CPHY1_TX_TRIO0_C)
MIPI_DPHY1_TX_D1P: U1000.AN19(MIPI_DPHY1_TX_D1P/MIPI_CPHY1_TX_TRIO1_A)
MIPI_DPHY1_TX_D2N: U1000.AP21(MIPI_DPHY1_TX_D2N/MIPI_CPHY1_TX_TRIO2_A)
MIPI_DPHY1_TX_D2P: U1000.AN21(MIPI_DPHY1_TX_D2P/MIPI_CPHY1_TX_TRIO2_B)
MIPI_DPHY1_TX_D3N: U1000.AP22(MIPI_DPHY1_TX_D3N/MIPI_CPHY1_TX_TRIO2_C)
MIPI_DPHY1_TX_D3P: U1000.AN22(MIPI_DPHY1_TX_D3P/NO_USE)
MIPI_TE0: U1000.Y31(GPIO3_C2_D)
MIPI_TE1: U1000.Y30(GPIO3_C3_D)
MIPICSI0_PWREN_H: U1000.D25(GPIO1_B1_D)
MIPICSI1_PWREN_H: U1000.D26(GPIO1_B2_D)
NPU_VSEL: U1000.U32(GPIO0_C1_D) U2303.A1(VSEL)
OTG0_REXT: R1405.1 U1000.AP12(TYPEC0_USB20_OTG0_REXT)
OTG1_REXT: R1406.1 U1000.AP7(TYPEC1_USB20_OTG1_REXT)
PCIE20_0_TXN: U1000.L33(PCIE20_0_REFCLKN)
PCIE20_0_TXP: U1000.L32(PCIE20_0_REFCLKP)
PCIE20_1_REFCLKN: U1000.H33(PCIE20_1_REFCLKN)
PCIE20_1_REFCLKP: U1000.H32(PCIE20_1_REFCLKP)
PCIE20_1_RXN/SATA30_1_RXN: U1000.J34(PCIE20_1_RXN/SATA30_1_RXN)
PCIE20_1_RXP/SATA30_1_RXP: U1000.J33(PCIE20_1_RXP/SATA30_1_RXP)
PCIE20_1_TXN/SATA30_1_TXN: U1000.K34(PCIE20_1_TXN/SATA30_1_TXN)
PCIE20_1_TXP/SATA30_1_TXP: U1000.K33(PCIE20_1_TXP/SATA30_1_TXP)
PCIE20_2_REFCLKN: U1000.G30(PCIE20_2_REFCLKN)
PCIE20_2_REFCLKP: U1000.G31(PCIE20_2_REFCLKP)
PCIE20_2_RXN/SATA30_2_RXN: U1000.J30(PCIE20_2_RXN/SATA30_2_RXN/USB30_2_SSRXN)
PCIE20_2_RXP/SATA30_2_RXP: U1000.J31(PCIE20_2_RXP/SATA30_2_RXP/USB30_2_SSRXP)
PCIE20_2_TXN: U1000.H29(PCIE20_2_TXN/SATA30_2_TXN/USB30_2_SSTXN)
PCIE20_2_TXP: U1000.H30(PCIE20_2_TXP/SATA30_2_TXP/USB30_2_SSTXP)
PCIE30_0_REF: R1801.1 U1000.B34(PCIE30_PORT0_RESREF)
PCIE30_1_REF: R1807.1 U1000.A33(PCIE30_PORT1_RESREF)
PCIE30_PORT0_REFCLKN_IN: U1000.E34(PCIE30_PORT0_REF_CLKN)
PCIE30_PORT0_REFCLKP_IN: U1000.E33(PCIE30_PORT0_REF_CLKP)
PCIE30_PORT0_RX0N: U1000.G34(PCIE30_PORT0_RX0N)
PCIE30_PORT0_RX0P: U1000.G33(PCIE30_PORT0_RX0P)
PCIE30_PORT0_RX1N: U1000.F33(PCIE30_PORT0_RX1N)
PCIE30_PORT0_RX1P: U1000.F32(PCIE30_PORT0_RX1P)
PCIE30_PORT0_TX0N: U1000.D33(PCIE30_PORT0_TX0N)
PCIE30_PORT0_TX0P: U1000.D32(PCIE30_PORT0_TX0P)
PCIE30_PORT0_TX1N: U1000.C34(PCIE30_PORT0_TX1N)
PCIE30_PORT0_TX1P: U1000.C33(PCIE30_PORT0_TX1P)
PCIE30_PORT1_REFCLKN_IN: U1000.B28(PCIE30_PORT1_REF_CLKN)
PCIE30_PORT1_REFCLKP_IN: U1000.A28(PCIE30_PORT1_REF_CLKP)
PCIE30_PORT1_RX2N: U1000.A32(PCIE30_PORT1_RX0N)
PCIE30_PORT1_RX2P: U1000.B32(PCIE30_PORT1_RX0P)
PCIE30_PORT1_RX3N: U1000.B31(PCIE30_PORT1_RX1N)
PCIE30_PORT1_RX3P: U1000.C31(PCIE30_PORT1_RX1P)
PCIE30_PORT1_TX2N: U1000.A30(PCIE30_PORT1_TX0N)
PCIE30_PORT1_TX2P: U1000.B30(PCIE30_PORT1_TX0P)
PCIE30_PORT1_TX3N: U1000.B29(PCIE30_PORT1_TX1N)
PCIE30_PORT1_TX3P: U1000.C29(PCIE30_PORT1_TX1P)
PCIE30X4_CLKREQN_M1_L: U1000.AL26(GPIO4_B4_U)
PCIE30X4_PERSTN_M1_L: U1000.AJ27(GPIO4_B6_D)
PCIE30X4_PRSNT_L: U1000.AG28(GPIO3_B0_U)
PCIE30X4_PWREN_H: U1000.Y27(GPIO3_C1_D)
PCIE30X4_WAKEN_M1_L: U1000.AJ26(GPIO4_B5_D)
PCIEX1_0_CLKREQN_M1_L: U1000.AL29(GPIO4_A3_D)
PCIEX1_0_PERSTN_M1_L: U1000.AK27(GPIO4_A5_D)
PCIEX1_0_WAKEN_M1_L: U1000.AL28(GPIO4_A4_D)
PCIEX1_1_CLKREQN_M1_L: U1000.AK30(GPIO4_A0_D)
PCIEX1_1_PERSTN_M1_L: U1000.AM29(GPIO4_A2_D)
PCIEX1_1_WAKEN_M1_L: U1000.AL30(GPIO4_A1_D)
PHONE_CTL: U1000.F28(GPIO1_D2_D)
PMIC_EXT_EN_OUT: R2304.1 U2200.39((M\/S)EXT_EN)
PMIC_FB6: C2216.2 R2202.2 R2204.1 U2200.31(FB6)
PMIC_FB9: C2233.2 R2207.2 R2208.1 U2200.66(FB9)
PMIC_INT_L: R2214.2 U1000.M30(GPIO0_A7_U) U2200.19(INT)
PMIC_PWR_CTRL1: R1133.2 U2200.62(PWRCTRL1)
PMIC_PWR_CTRL2: R1115.2 R1116.1 U2200.61(PWRCTRL2)
PMIC_PWR_CTRL3: R1109.2 R1110.1 U2200.16((PWRCTRL3)SO)
PMIC_SPI_CLK: R1104.2 U2200.17((SCL)CLK)
PMIC_SPI_CS: R2212.1 U1000.K30(GPIO0_B1_Z) U2200.18((IIC/S\P\I\)CS)
PMIC_SPI_MOSI: R1107.2 R2213.1 U1000.L29(GPIO0_B3_Z) U2200.15((SDA)MOSI)
PMIC_SW1: L2201.1 U2200.50(SW1_1) U2200.51(SW1_2)
PMIC_SW2: L2203.1 U2200.35(SW2_1) U2200.36(SW2_2)
PMIC_SW3: L2205.1 U2200.55(SW3)
PMIC_SW4: L2207.1 U2200.23(SW4)
PMIC_SW5: L2200.2 U2200.45(SW5)
PMIC_SW6: L2202.2 U2200.29(SW6)
